# Altium PCB BGA_faser.PcbDoc (part 1 of 3)
Units mm, origin at the board's own origin, x right, y up, seen from the top; angles counter-clockwise.
Board outline 67 x 88.8 mm, 6 copper layers (Top Layer, GND1, Layer 3, PWR, GND2, Bottom Layer), stack 0.816 mm thick; 284 components, 326 nets, 1608 pads, 767 vias.
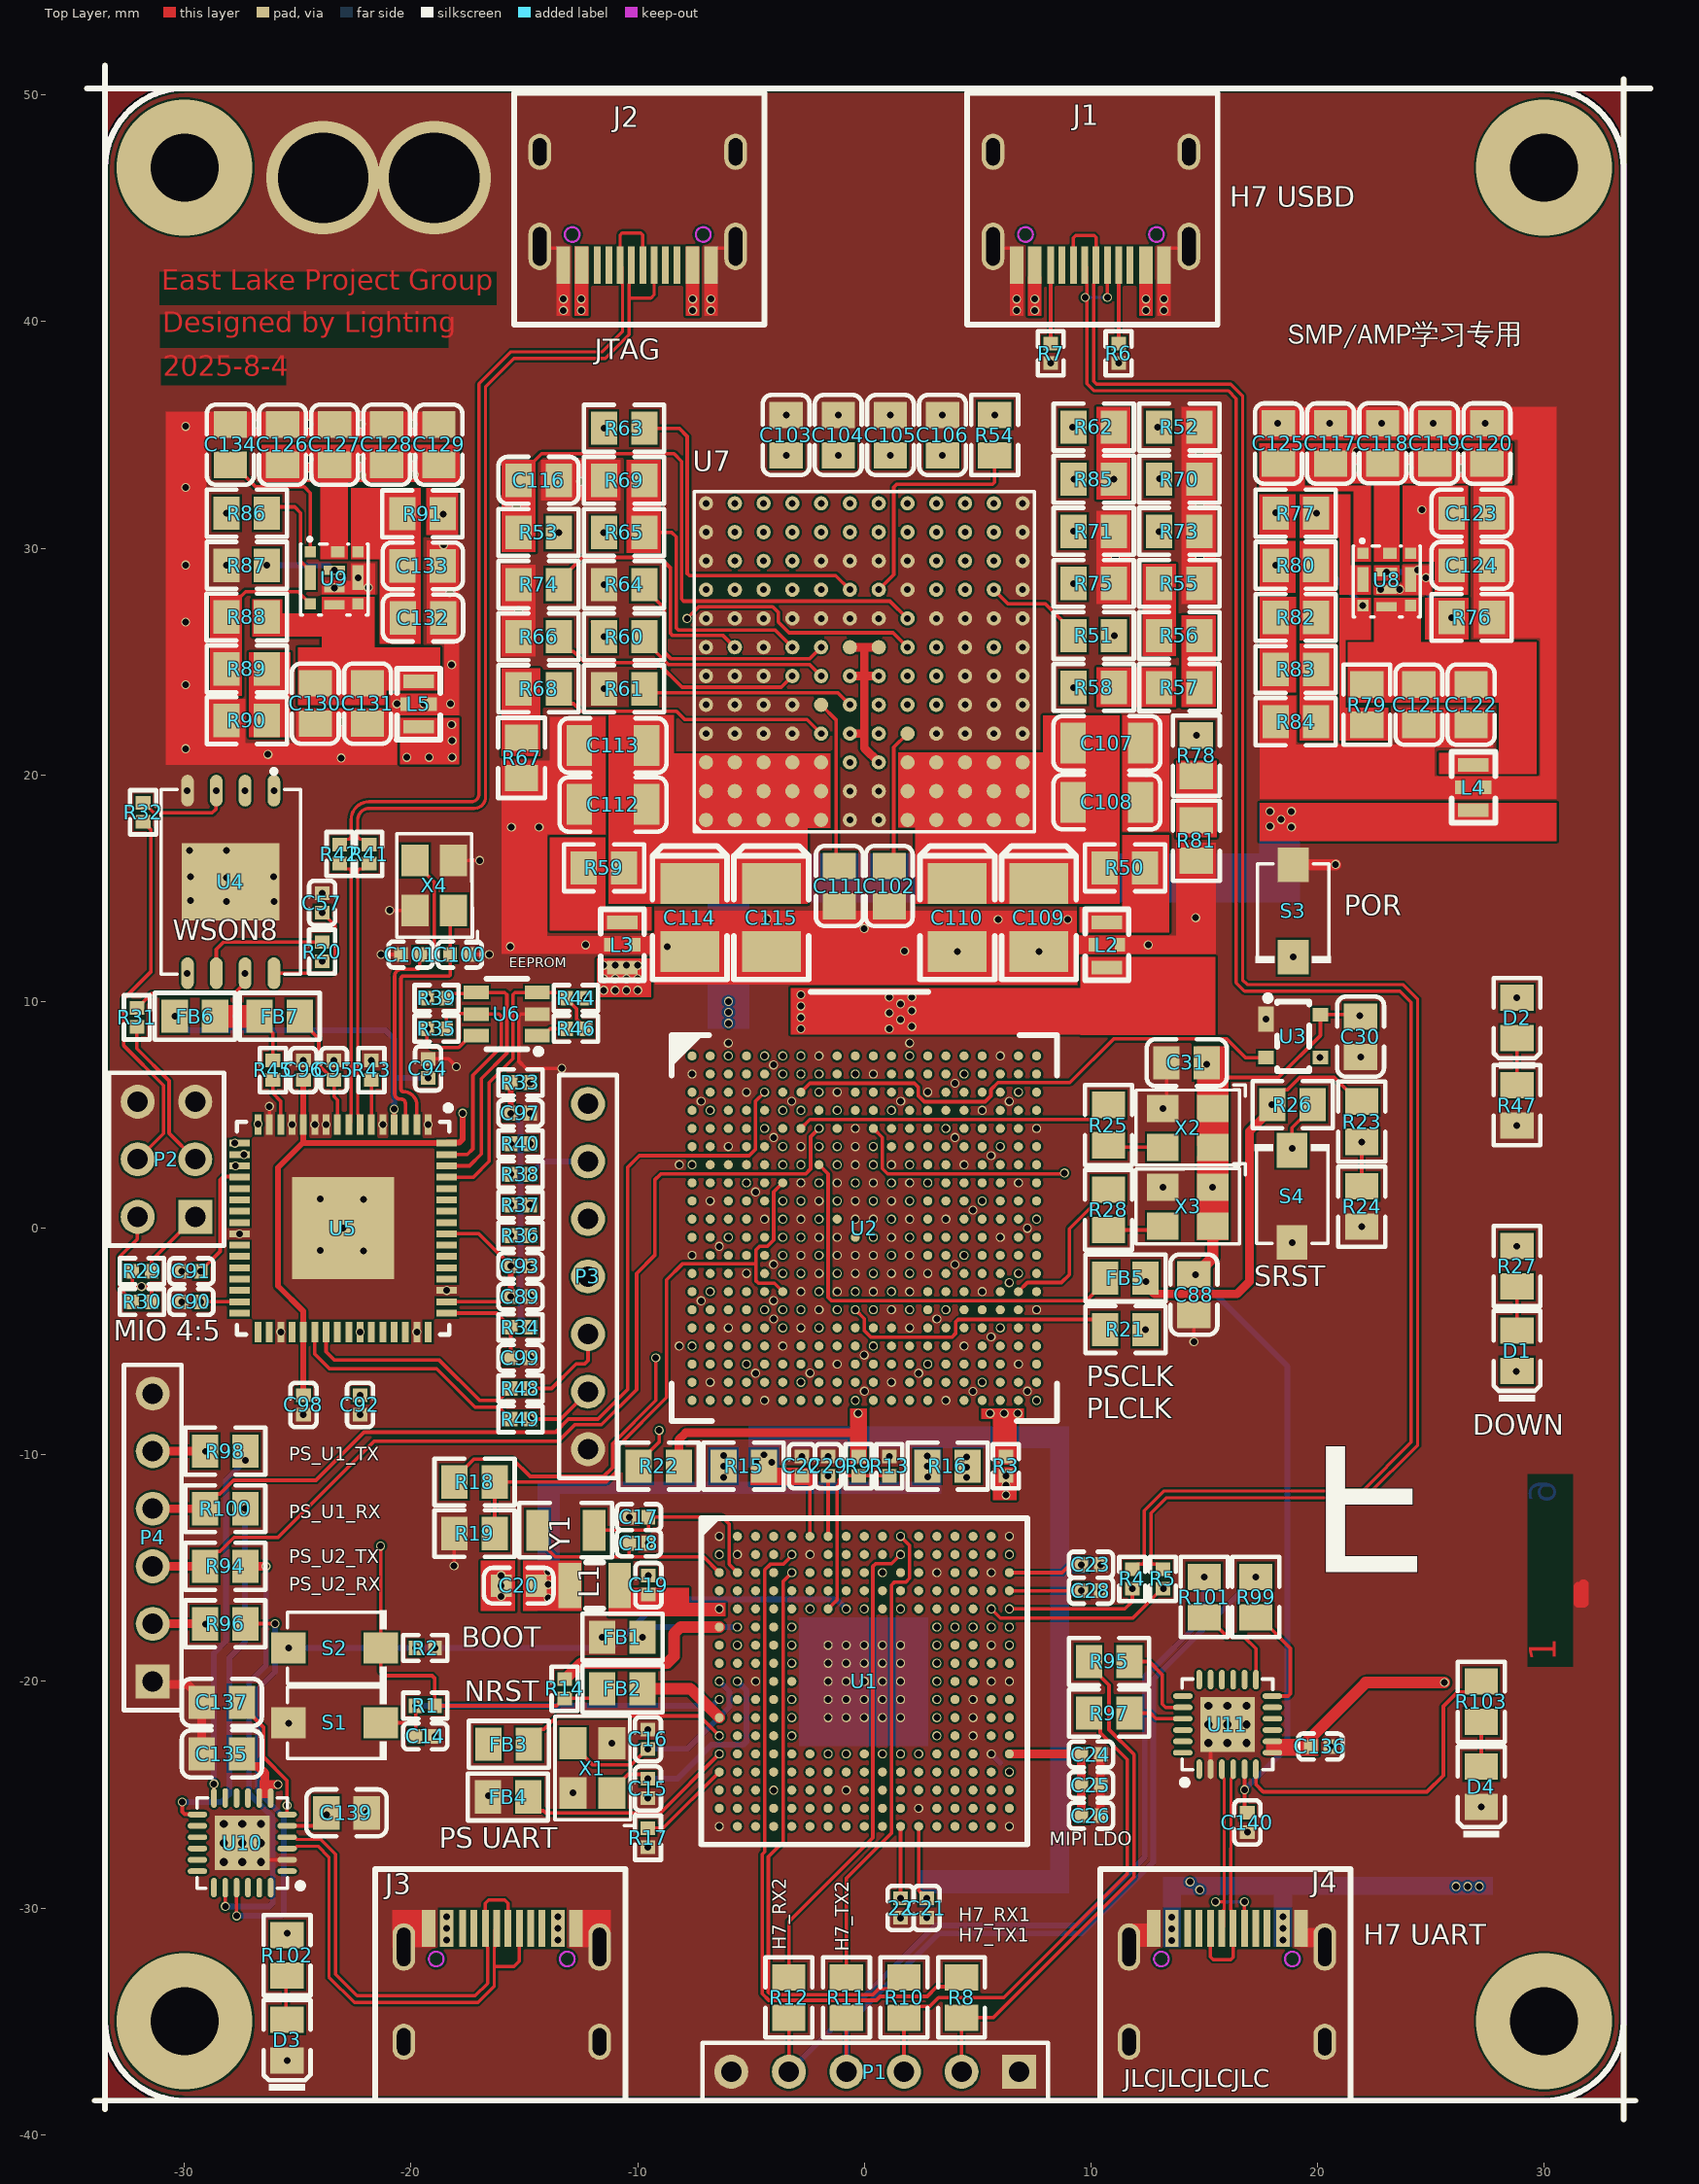
[diagram p0: Top Layer view]
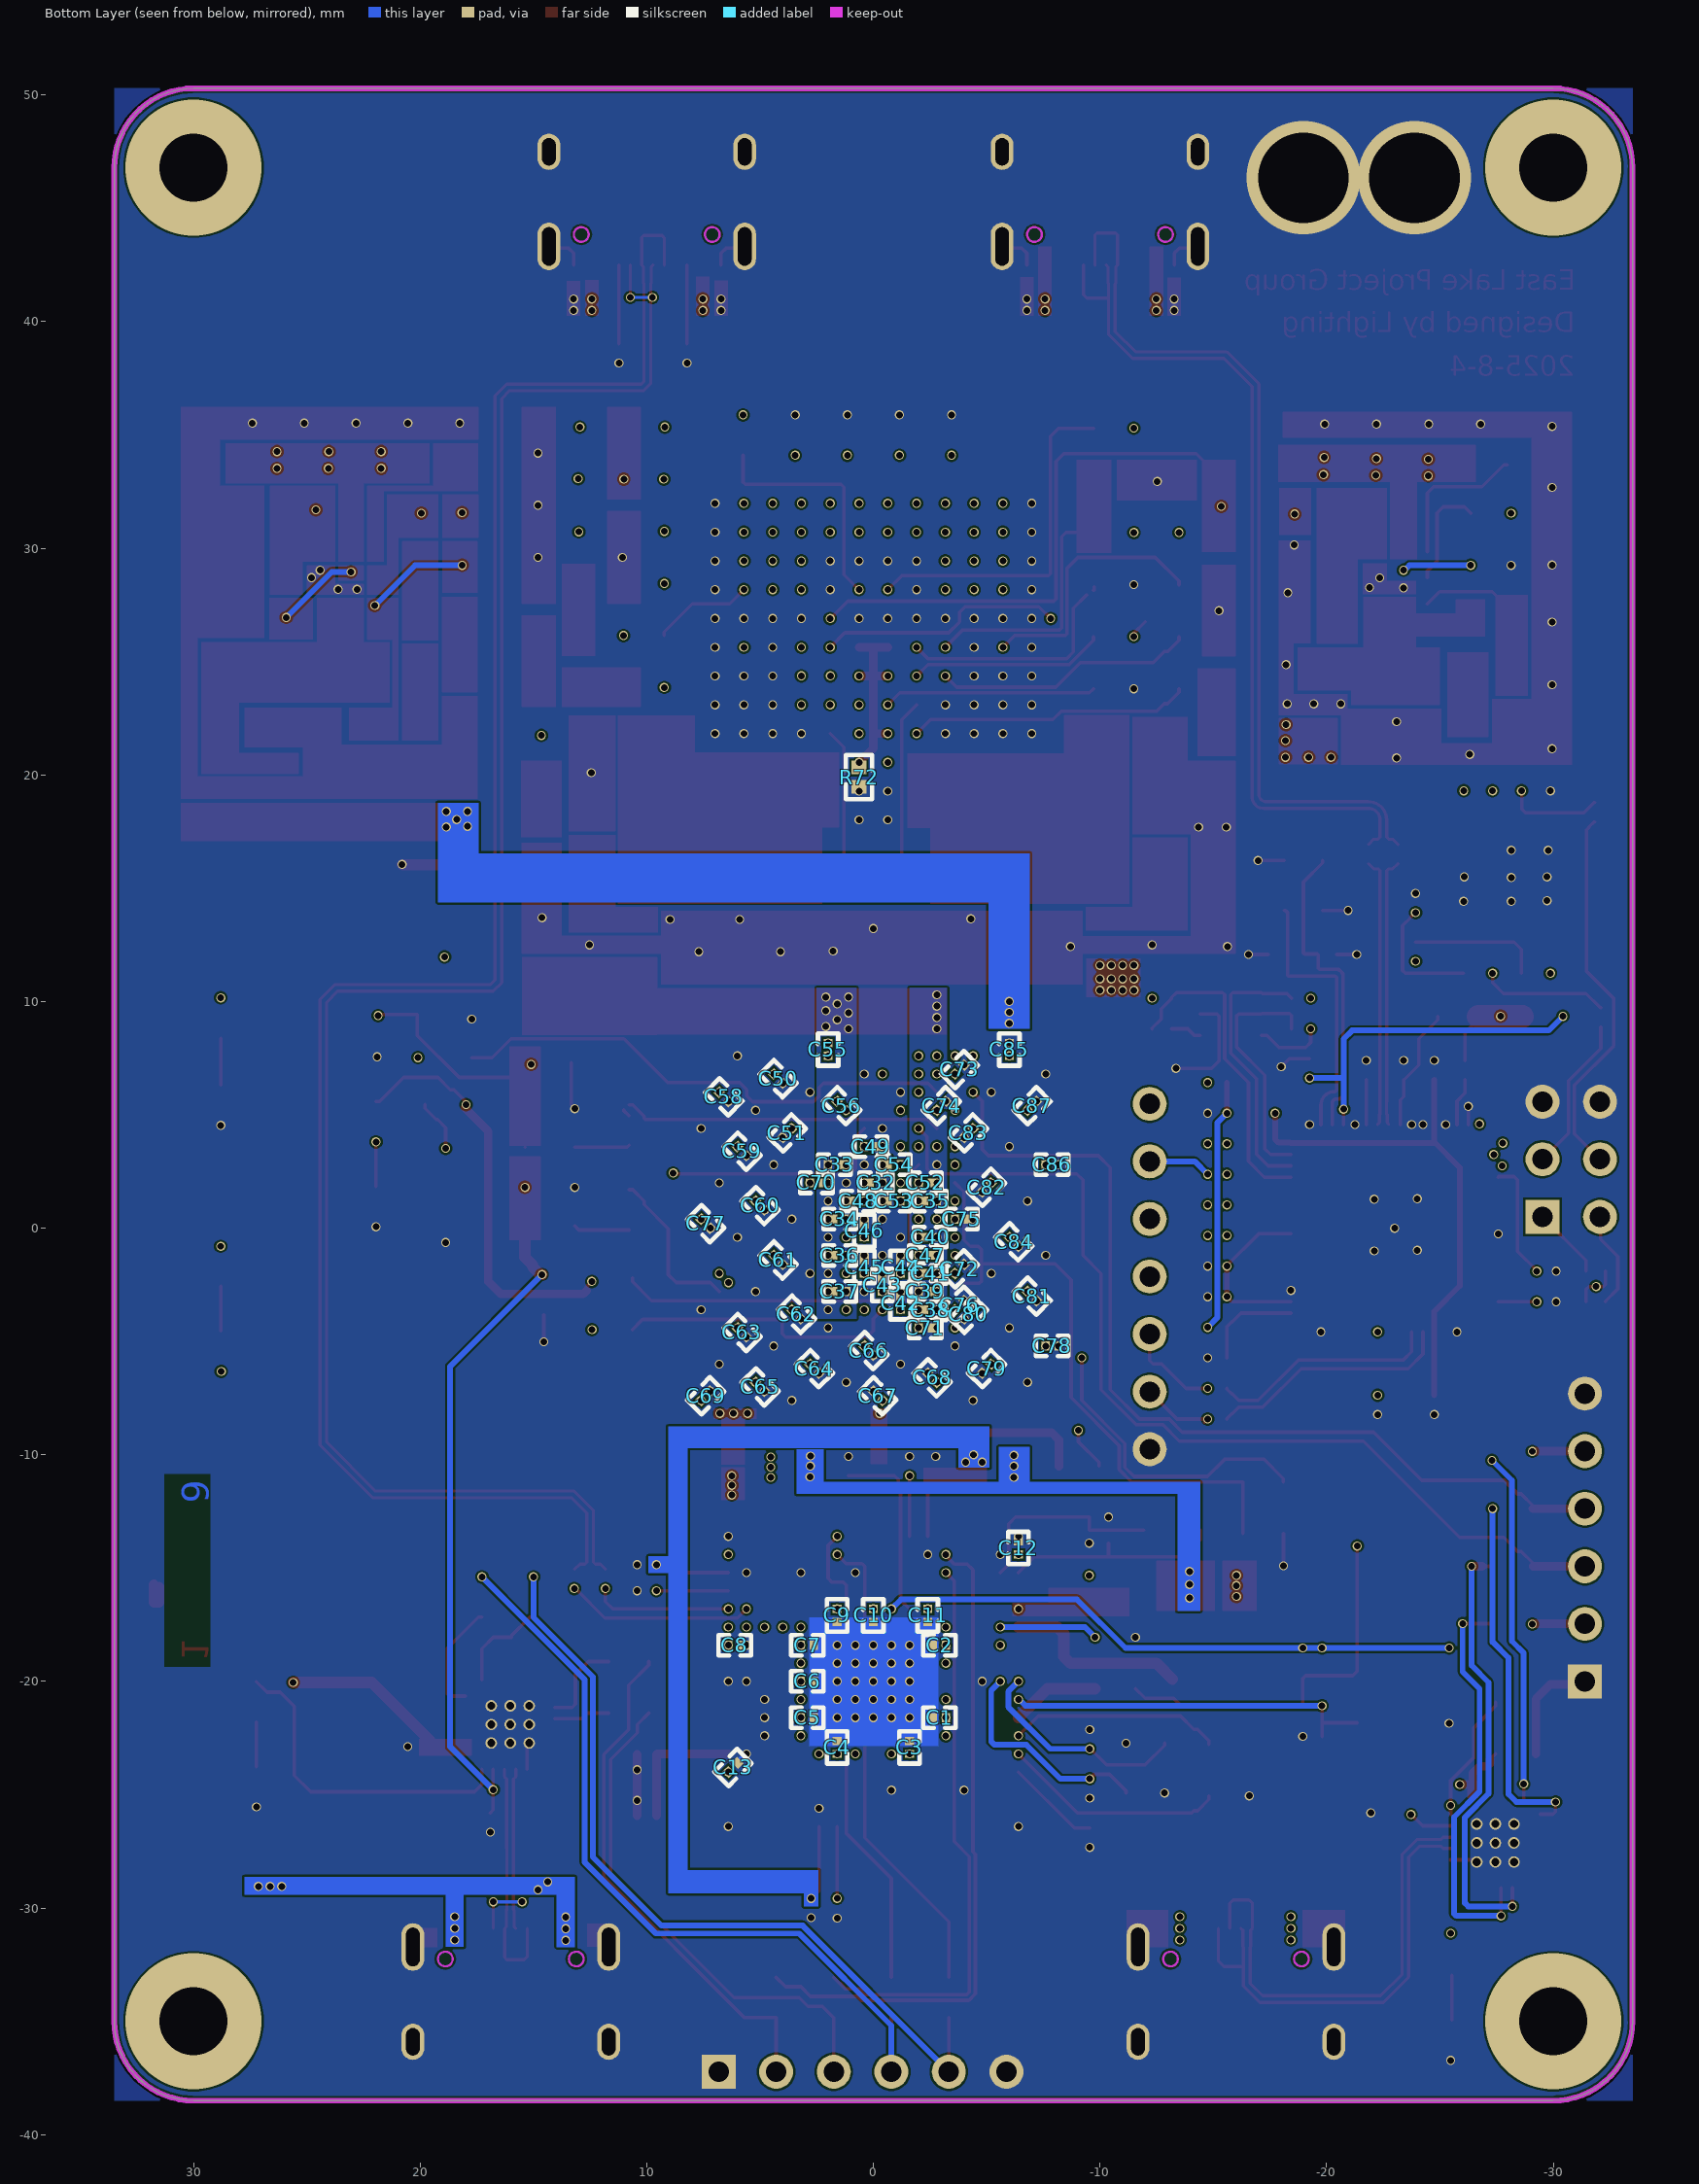
[diagram p1: Bottom Layer view, seen from below]
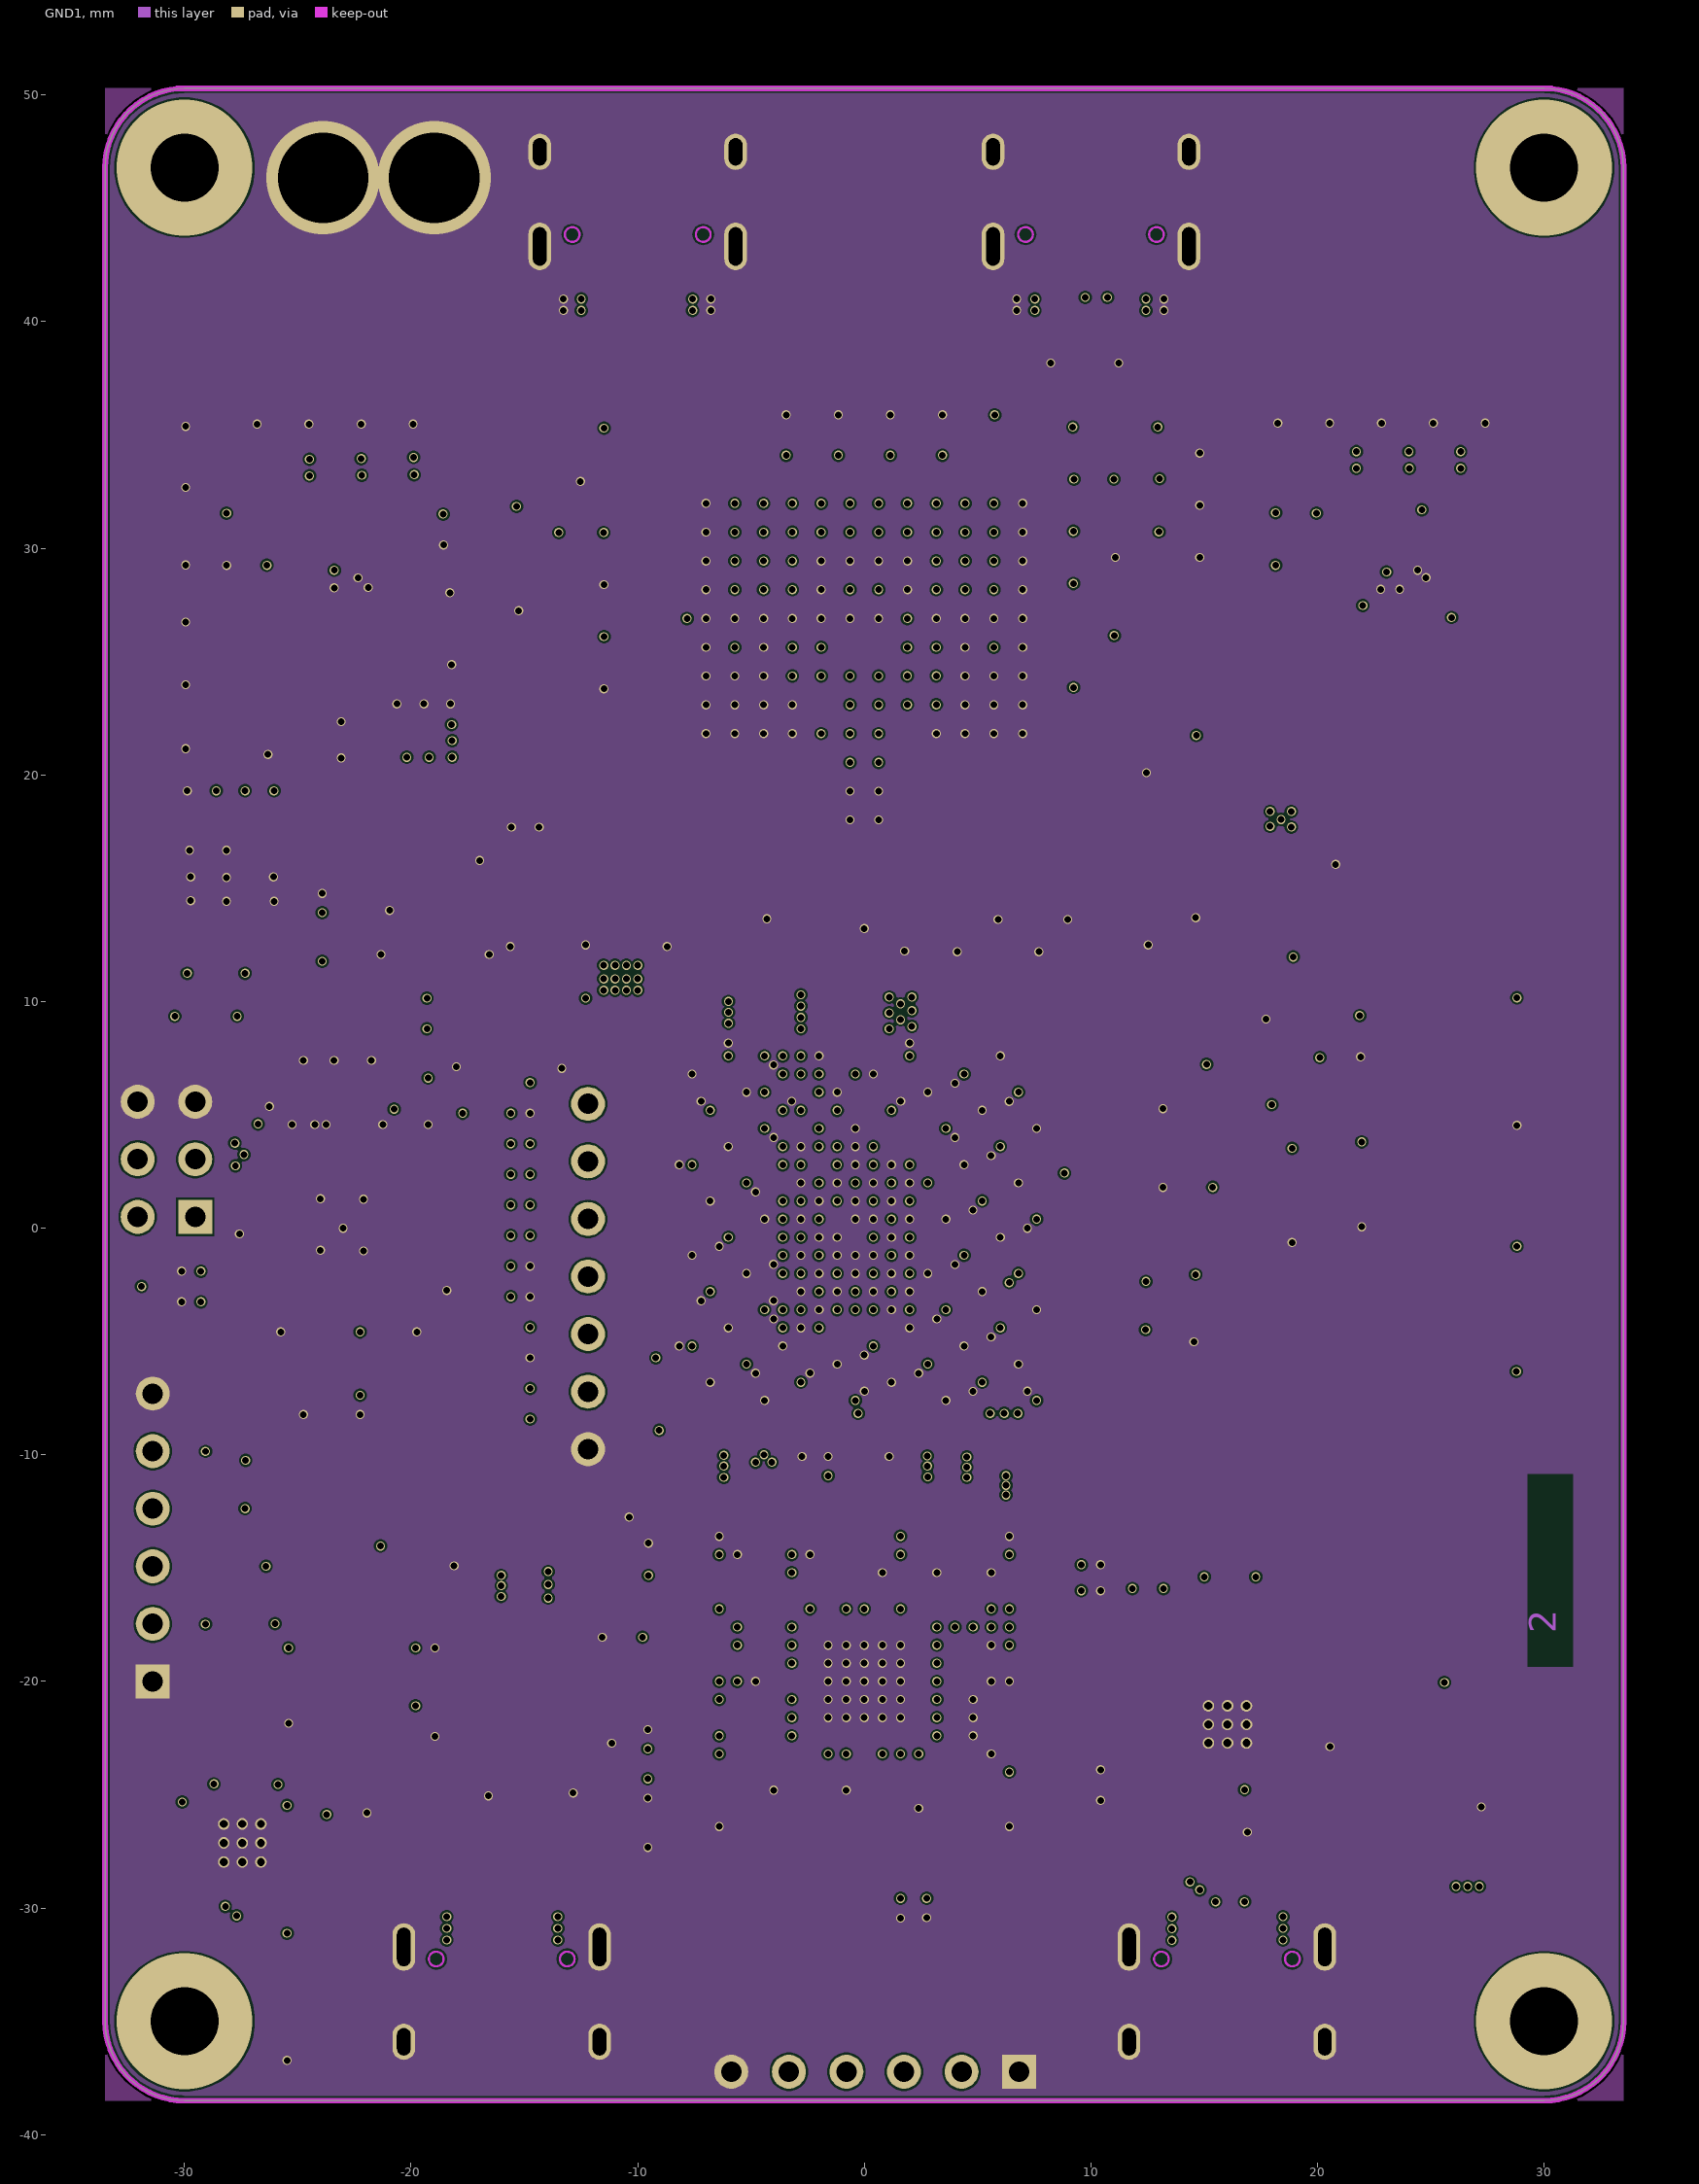
[diagram p2: GND1]